# Altium PCB HYDRA_V4_RECOVERY.PcbDoc (part 1 of 2) (continued)
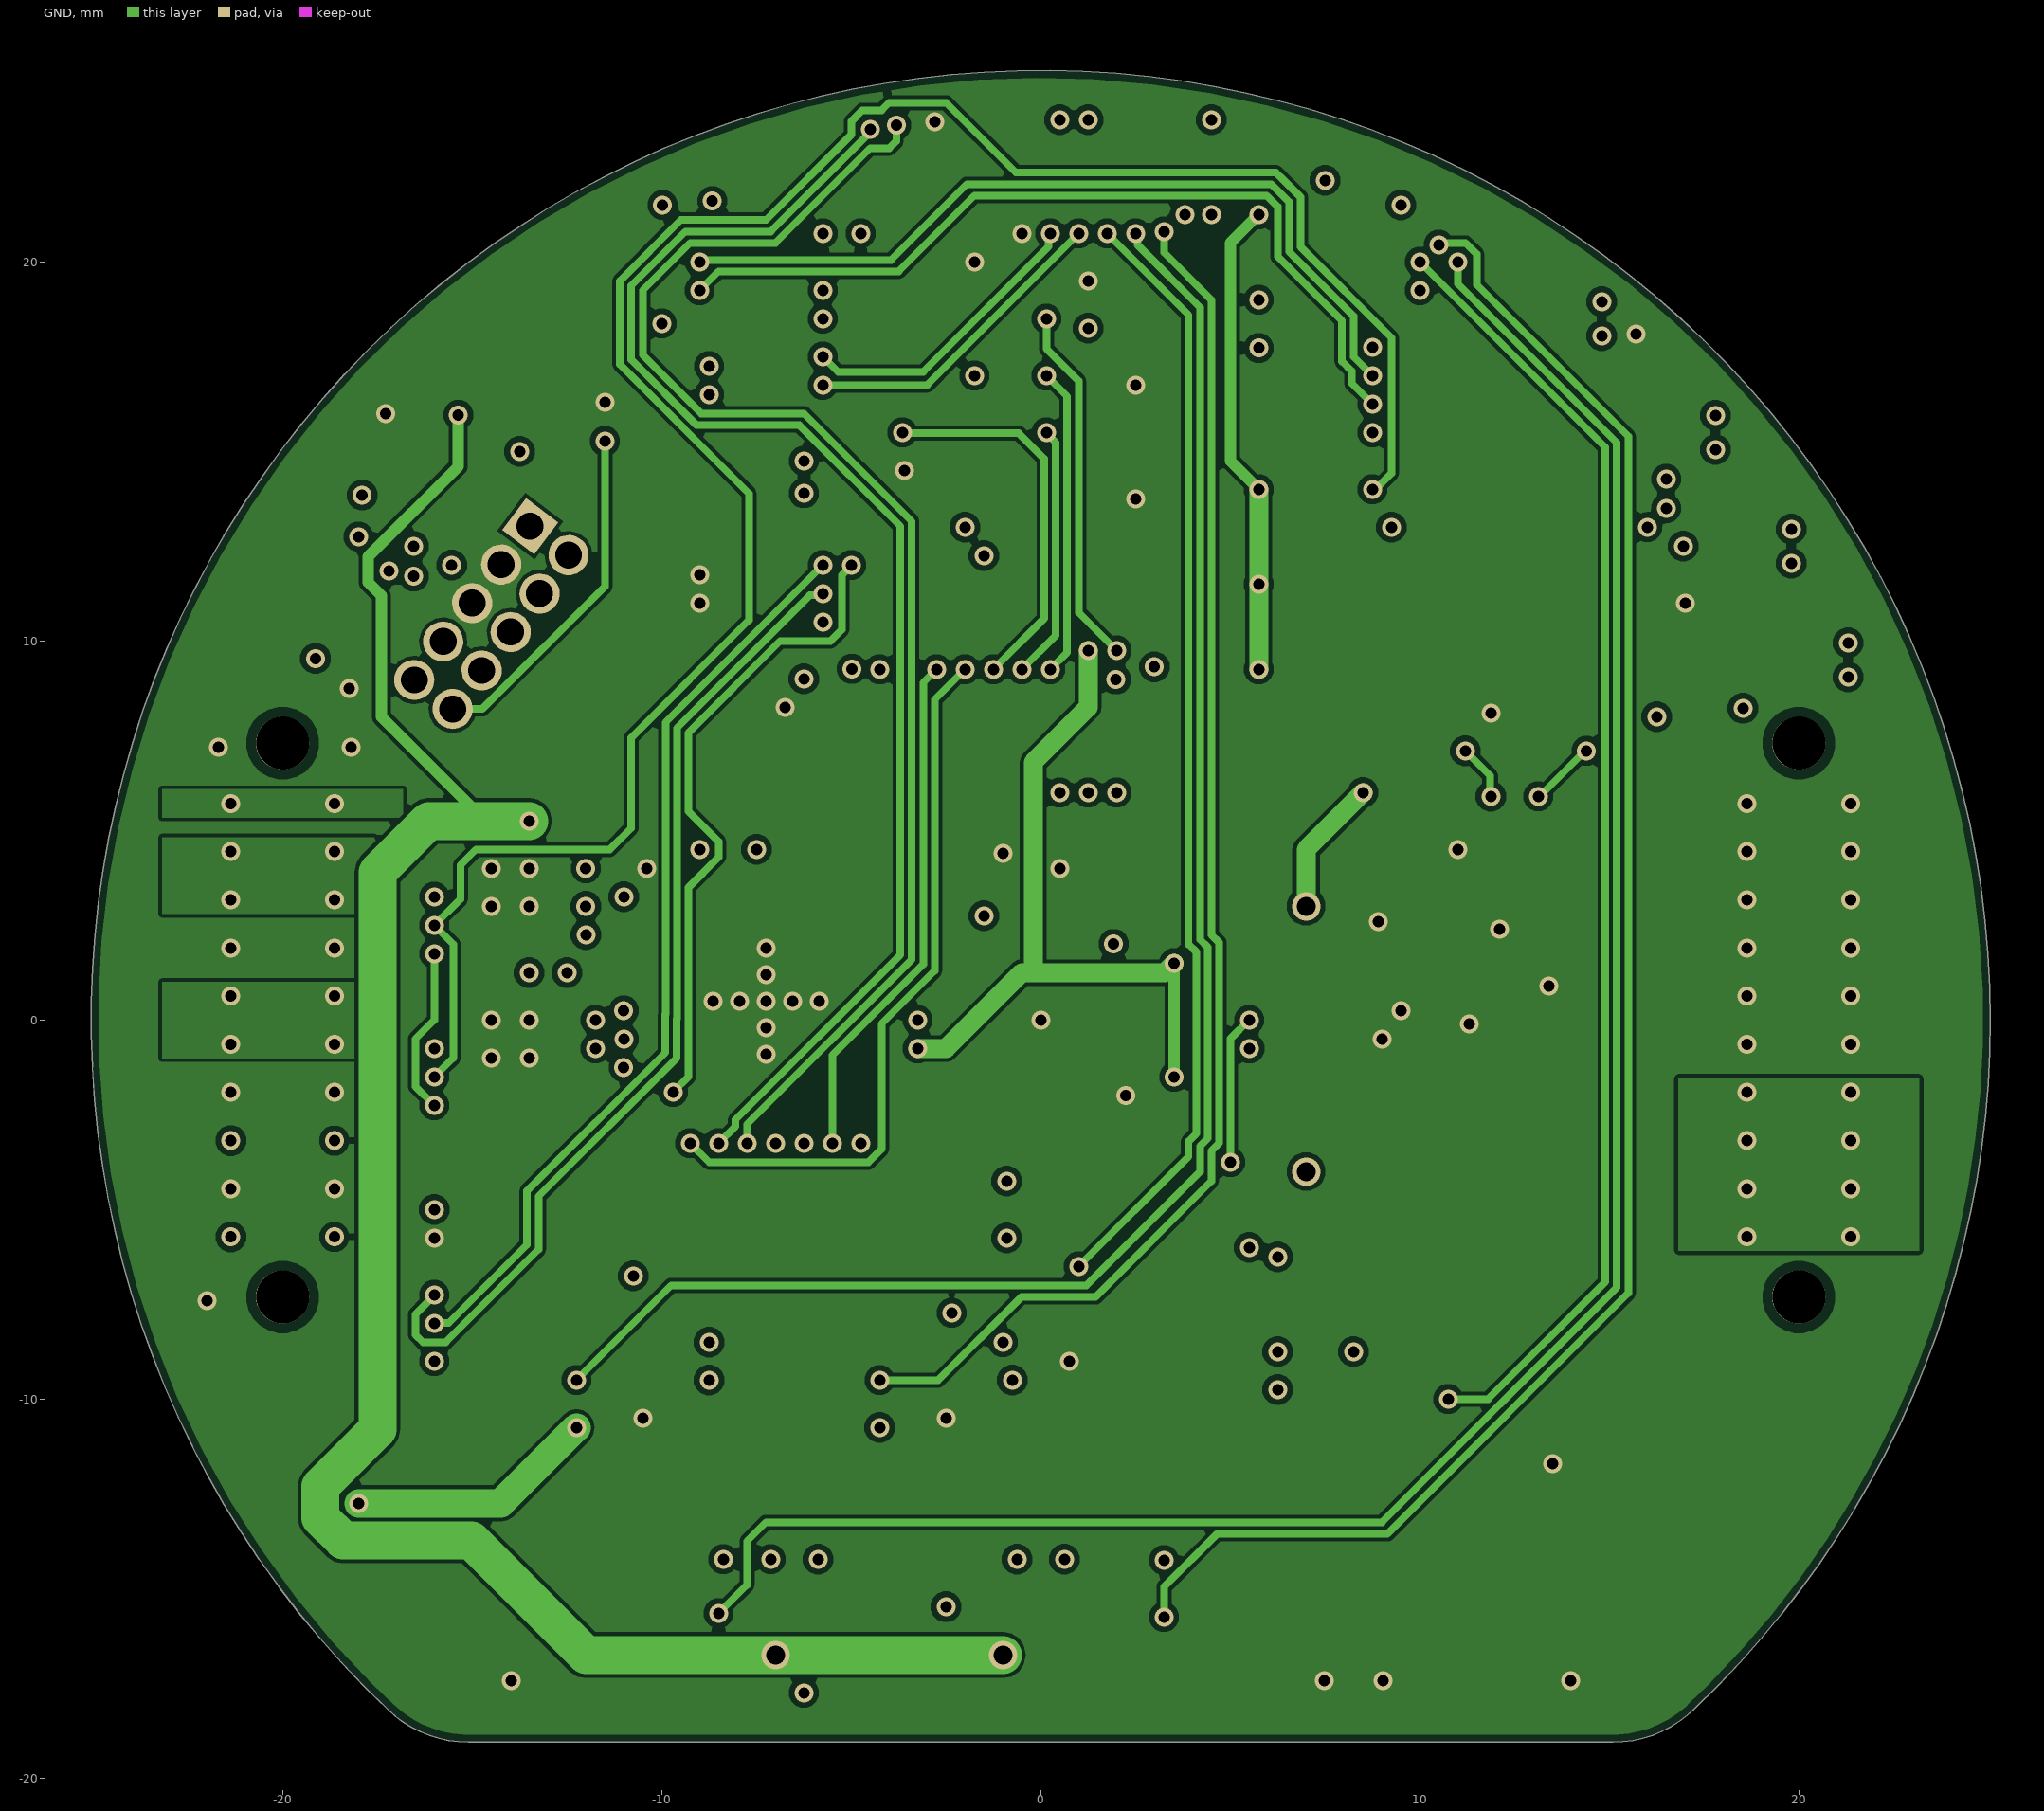
[diagram p3: GND]
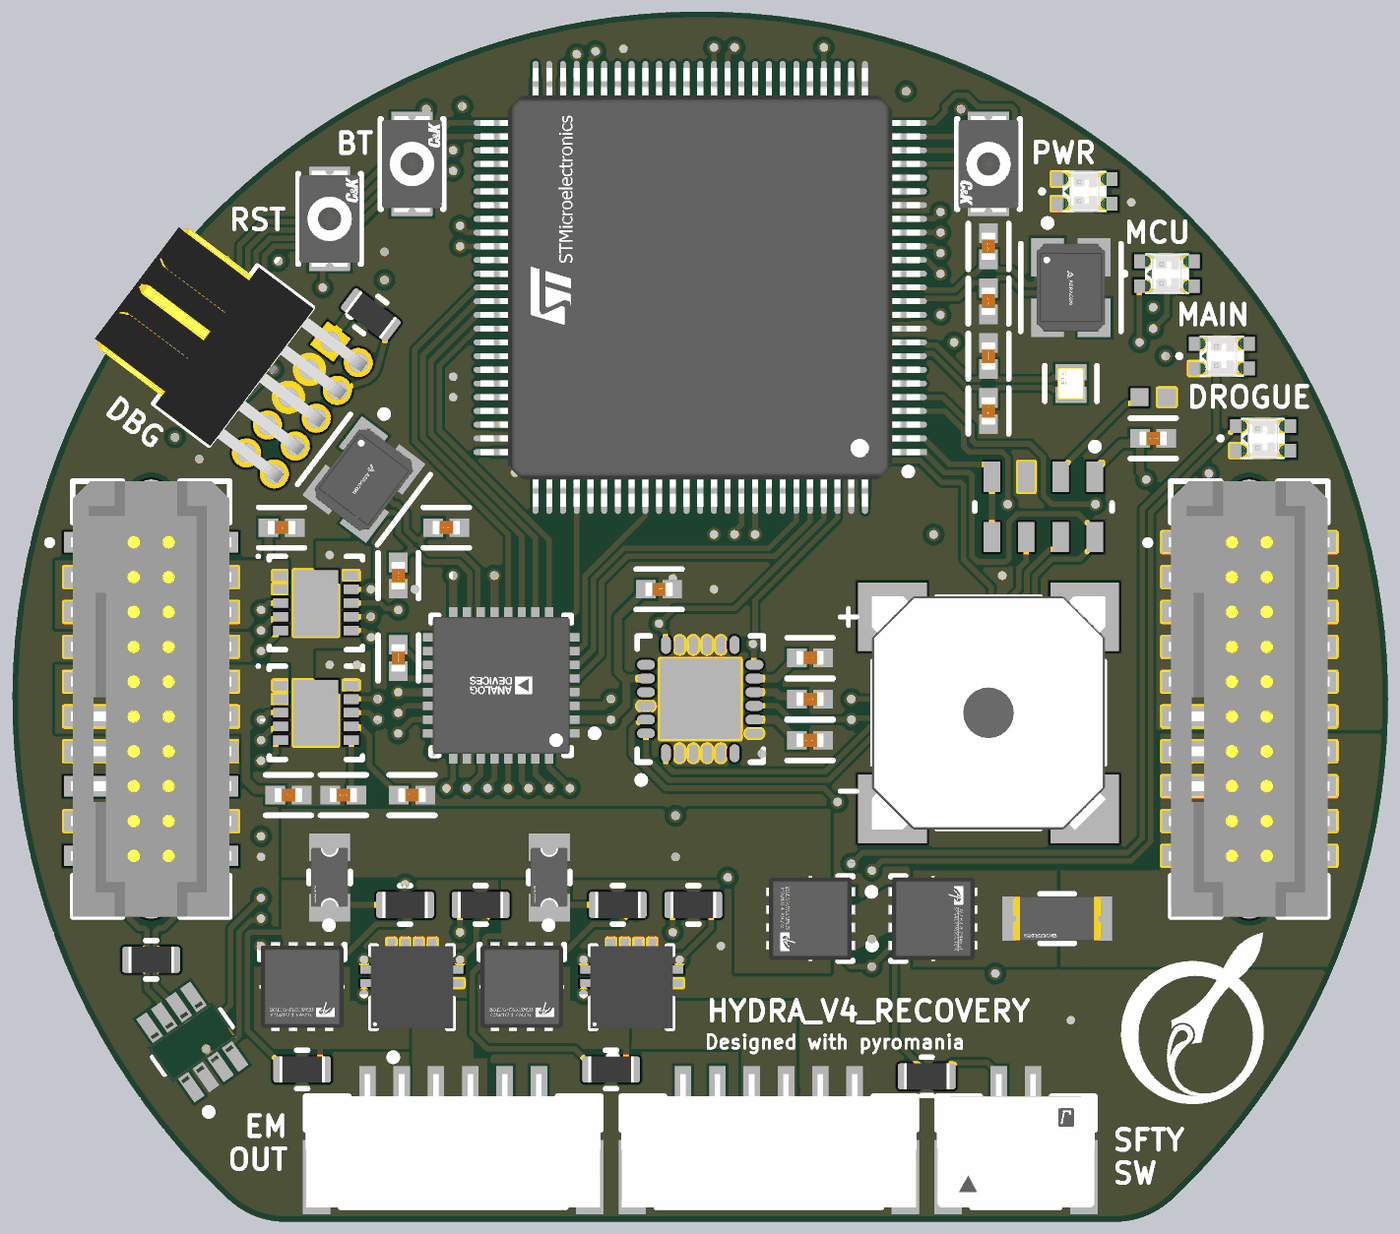
[diagram p5: 3D render of the assembled board from above, using the file's embedded part models]
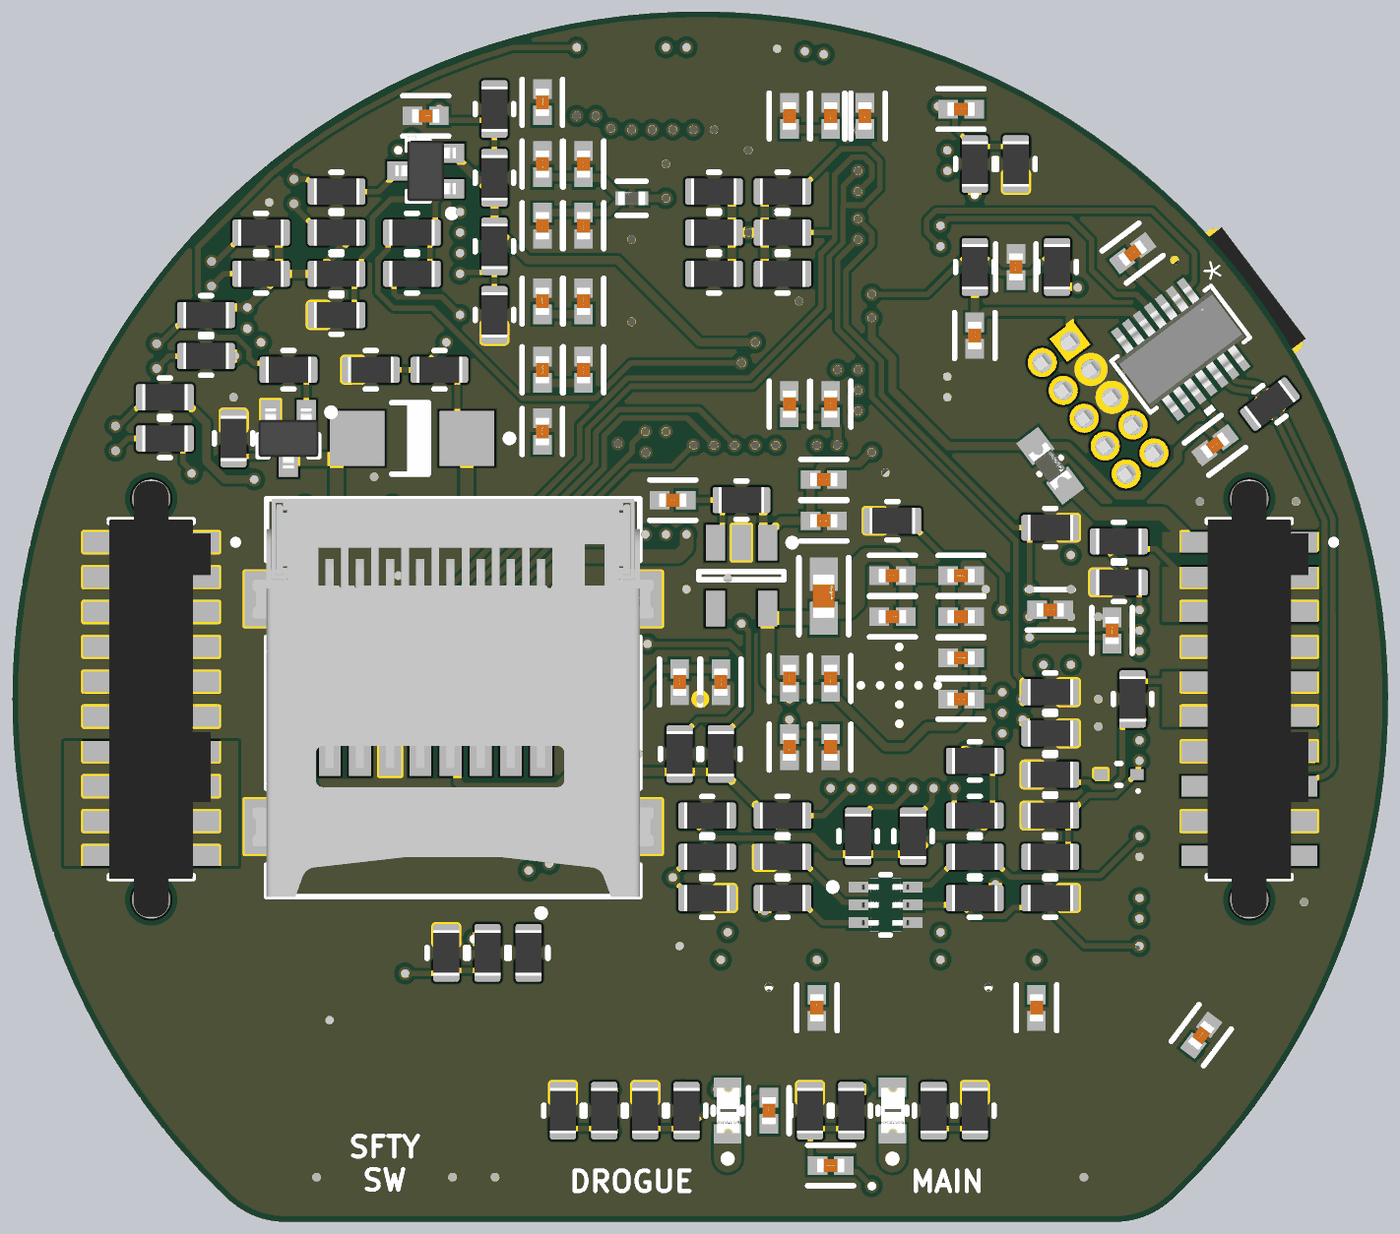
[diagram p6: 3D render of the assembled board from below, using the file's embedded part models]

## Layer stack, top to bottom
Top Solder: solder mask 0.0127, Solder Resist, Dk 3.5
Top Layer: signal copper 0.035
Dielectric 2: prepreg 0.2104, PP-006, Dk 4.1
PWR: signal copper 0.0152
Dielectric 1: dielectric 1.065, FR-4, Dk 4.8
GND: signal copper 0.0152
Dielectric 3: prepreg 0.2104, PP-006, Dk 4.1
Bottom Layer: signal copper 0.035
Bottom Solder: solder mask 0.0127, Solder Resist, Dk 3.5

## Board outline
-17.222,-18.191 ccw(c-15.1,-16) -15.1,-19.05 15.1,-19.05 ccw(c15.1,-16) 17.25,-18.164 17.257,-18.158 ccw(c0,0) 25.05,0 ccw(c0,0)

## Design rules (kind name [scope] priority, off if disabled: settings)
BoardOutlineClearance [All] p1: gap=0.2 ignorepadtopadclearanceinfootprint=FALSE
Clearance [All] p1: gap=0.102 ignorepadtopadclearanceinfootprint=FALSE except(0.127: Arc-Via Track-Via SMDPad-Via THPad-Via Via-Via Via-Fill Via-Poly Via-Region Via-Text; 0.25: Arc-Hole Track-Hole SMDPad-Hole THPad-Hole Via-Hole Fill-Hole Poly-Hole Region-Hole Text-Hole)
ComponentClearance [All] p1: gap=0.102 collisioncheckmode=3 verticalgap=0.102 showdistances=TRUE
DiffPairsRouting [All] p1: maxlimit=0.102 minlimit=0.102 mostfreqgap=0.102 toplayer_minwidth=0.102 toplayer_maxwidth=1816.048 toplayer_prefwidth=0.102 midlayer1_minwidth=0.102 midlayer1_maxwidth=1816.048 midlayer1_prefwidth=0.102 midlayer2_minwidth=0.102 midlayer2_maxwidth=1816.048 midlayer2_prefwidth=0.102 bottomlayer_minwidth=0.102 bottomlayer_maxwidth=1816.048 bottomlayer_prefwidth=0.102 maxuncoupledlength=12.7
Height [All] p1: minheight=0 maxheight=1816.048 prefheight=12.7
HoleSize [All] p1: absolutevalues=TRUE maxlimit=6.3 minlimit=0.2 maxpercent=80.000 minpercent=20.000
HoleToHoleClearance [All] p1: gap=0.25 allowstackedmicrovias=FALSE
MatchedLengths DCMI_LEN_MATCH [InNetClass('DCMI')] p1: tolerance=25.4 checknetsindiffpair=FALSE checkdiffpairvsdiffpair=TRUE checkxsignals=TRUE checkothers=TRUE usedelayunits=TRUE delaytolerance=1.000000
MinimumAnnularRing [All] p1: minimumring=0.076
MinimumSolderMaskSliver [All] p1: minsoldermaskwidth=0
PlaneClearance [All] p1: clearance=0.102
PlaneConnect PlaneConnectPowerPads [InPadClass('PowerPads')] p1: planeconnectstyle=Direct reliefexpansion=0.508 reliefentries=4 reliefconductorwidth=0.254 reliefairgap=0.254
PlaneConnect [All] p2: pad.planeconnectstyle=Relief pad.reliefexpansion=0.3 pad.reliefentries=4 pad.reliefconductorwidth=0.102 pad.reliefairgap=0.102 via.planeconnectstyle=Direct via.reliefexpansion=0.3 via.reliefentries=4 via.reliefconductorwidth=0.127 via.reliefairgap=0.127
PolygonConnect PolygonConnectPowerPads [All vs (InPadClass('PowerPads'))] p1: connectstyle=Direct reliefconductorwidth=0.254 reliefentries=4 polygonreliefangle="90 Angle" airgapwidth=0.254
PolygonConnect [All] p2: thpad.connectstyle=Relief thpad.reliefconductorwidth=0.102 thpad.reliefentries=4 thpad.polygonreliefangle="90 Angle" thpad.airgapwidth=0.102 smdpad.connectstyle=Direct smdpad.reliefconductorwidth=0.102 smdpad.reliefentries=4 smdpad.polygonreliefangle="90 Angle" smdpad.airgapwidth=0.102 via.connectstyle=Direct via.reliefconductorwidth=0.127 via.reliefentries=4 via.polygonreliefangle="90 Angle" via.airgapwidth=0.127
RoutingVias [All] p1: holewidth=0.2 width=0.45 viastyle="Through Hole" minholewidth=0.2 minwidth=0.45 maxholewidth=6.3 maxwidth=6.55
SilkToSilkClearance [All] p1: silktosilkclearance=0
SilkToSolderMaskClearance [IsPad] p1: minsilkscreentomaskgap=0.102 clearancetoexposedcopper=TRUE
SolderMaskExpansion [All] p1: expansion=0.075 istentingtop=FALSE
SupplyNets "Schematic Supply Nets_5" [InNet('3V3_OUT')] p1: voltage=0.000
SupplyNets "Schematic Supply Nets_4" [InNet('GND')] p2: voltage=0.000
SupplyNets "Schematic Supply Nets_3" [InNet('TCAN1146_VSUP')] p3: voltage=0.000
SupplyNets "Schematic Supply Nets_2" [InNet('PYRO_PWR_SW')] p4: voltage=0.000
SupplyNets "Schematic Supply Nets_1" [InNet('AVDD')] p5: voltage=0.000
SupplyNets "Schematic Supply Nets" [InNet('5V')] p6: voltage=0.000
Width [All] p1: maxlimit=1816.048 minlimit=0.102 preferedwidth=0.102
20 further rules are at their usual default settings.

## Classes and differential pairs
pad class PowerPads: J11-03 J11-05
component class SD_0: C57 C58 R37 R38 R39 R65 R74 R75 SD1
net class CAN: CAN1_N CAN1_P
component class FDCAN_1: C51 R68 U9
component class FDCAN_0: C52 C53 C54 C55 R69 R70 R71 SW2 U10
net class DCMI: HS LLC P0 P1 P2 P3 P4 P5 P6 P7 VS
net class 50SINGLE: CAM_1 CAM_2
component class CAMERA_IF: C11 C12 C13 C14 C15 C17 C18 C19 C20 C21 C22 C23 C24 C25 C26 C27 C28 C29 R48 R49 R50 R51 R52 R53 R55 R56 R57 R58 U6 U7 Y1
differential pair class CAN: CAN0
component class SENSOR_BANK_0: C6 C7 C8 C9 C10 R44 R45 R46 U4 U5
component class SAFETY_SWITCH_0: Q6 Q7 R40 R41 R42 R43
component class MCU_0: C30 C31 C32 C33 C34 C35 C36 C37 C38 C39 C40 C41 C42 C43 C44 C45 C46 C47 C48 C49 C50 C56 D7 FB1 J11 R59 R60 R61 R66 R67 R72 R73 SW1 SW3 U8 Y2 Y3
component class EJECTION_CIRCUIT_0: C1 C2 D1 D2 DS2 F1 F2 Q1 Q2 Q3 R1 R2 R3 R4 R5 R6 R7 R8 R9 R10 R11 R12 R13 R14 R15 R16 R17 R18 R19 R20 U1 U2
component class OC_PROT: C3 C4 C5 C59 C60 C61 D4 D6 F6 F7 Q8 R23 R24 R25 R26 R27 R28 R29 R30 R31 R32 R33 R34 R35 R36 R62 R63 R64 R76 R77 R78 R79 R80 U3 U11
component class HYDRA_V4_RECOVERY: D3 F3 F4 J1 J2 J3 J4 J5 J6 J7 LS1 Q4 R21 R22
differential pair XTAL: +XTAL_P -XTAL_N
differential pair VREF: +VREF_P -VREF_N
differential pair X: +X_P -X_N
differential pair X32: +X32_P -X32_N
differential pair CAN1: +CAN1_P -CAN1_N
differential pair CAN0: +CAN0_P -CAN0_N

## Components (designator, comment, footprint, x,y, rotation, side; value= is the part's Value field where it differs from the comment)
C1 "100n" FP-0402-L_1_0_0_05-W_0_5-IPC_A -12.25,-11.25 r90 bottom
C2 "100n" FP-0402-L_1_0_0_05-W_0_5-IPC_A -4.25,-11.25 r90 bottom
C3 "100n" FP-0402-L_1_0_0_05-W_0_5-IPC_A -15,-3.5 r0 top
C4 "100n" FP-0402-L_1_0_0_05-W_0_5-IPC_A -10.5,-3.5 r0 top
C5 "TBD" FP-0402-L_1_0_0_05-W_0_5-IPC_A -13,-3.5 r180 top
C6 "10n" FP-0402-L_1_0_0_05-W_0_5-IPC_A 4,-1.5 r180 top
C7 "10n" FP-0402-L_1_0_0_05-W_0_5-IPC_A -1.5,4 r180 top
C8 "100n" FP-0402-L_1_0_0_05-W_0_5-IPC_A 4,1.5 r180 top
C9 "100n" FP-0402-L_1_0_0_05-W_0_5-IPC_A 4,0 r180 top
C10 "100n" FP-0402-L_1_0_0_05-W_0_5-IPC_A 16.5,9.5 r180 top
C11 "100n" FP-0402-L_1_0_0_05-W_0_5-IPC_A -4.75,-17 r0 bottom
C12 "GRM188R60J106ME47D" FP-GRM188-0_1-e0_2_0_55-IPC_A -4.5,3.75 r90 bottom
C13 "100n" FP-0402-L_1_0_0_05-W_0_5-IPC_A -4.5,6.5 r0 bottom
C14 "100n" FP-0402-L_1_0_0_05-W_0_5-IPC_A -2.5,-15 r90 bottom
C15 "4.7u" FP-0402-L_1_0_0_05-W_0_5-IPC_A 1,7.25 r180 bottom
C17 "30p" FP-0402-L_1_0_0_05-W_0_5-IPC_A -9.25,6.25 r180 top
C18 "30p" FP-0402-L_1_0_0_05-W_0_5-IPC_A -11,4.5 r90 top
C19 "100n" FP-0402-L_1_0_0_05-W_0_5-IPC_A -9.5,0 r180 bottom
C20 "10n" FP-0402-L_1_0_0_05-W_0_5-IPC_A -9.5,1.5 r180 bottom
C21 "100n" FP-0402-L_1_0_0_05-W_0_5-IPC_A -4.75,0.75 r270 bottom
C22 "10n" FP-0402-L_1_0_0_05-W_0_5-IPC_A -3.25,0.75 r270 bottom
C23 "100n" FP-0402-L_1_0_0_05-W_0_5-IPC_A -7,3 r180 bottom
C24 "10n" FP-0402-L_1_0_0_05-W_0_5-IPC_A -7,4.5 r180 bottom
C25 "100n" FP-0402-L_1_0_0_05-W_0_5-IPC_A -4.75,-1.75 r90 bottom
C26 "10n" FP-0402-L_1_0_0_05-W_0_5-IPC_A -3.25,-1.75 r90 bottom
C27 "100n" FP-0402-L_1_0_0_05-W_0_5-IPC_A -9.5,3 r0 bottom
C28 "10n" FP-0402-L_1_0_0_05-W_0_5-IPC_A -9.5,4.5 r0 bottom
C29 "100n" FP-0402-L_1_0_0_05-W_0_5-IPC_A -11,1.5 r270 top
C30 "30p" FP-0402-L_1_0_0_05-W_0_5-IPC_A 10.5,16.5 r90 top
C31 "30p" FP-0402-L_1_0_0_05-W_0_5-IPC_A 10.5,14.5 r270 top
C32 "18p" FP-0402-L_1_0_0_05-W_0_5-IPC_A 10.5,10.5 r270 top
C33 "18p" FP-0402-L_1_0_0_05-W_0_5-IPC_A 10.5,12.5 r90 top
C34 "100n" FP-0402-L_1_0_0_05-W_0_5-IPC_A -11.5,15.75 r90 bottom
C35 "4.7u" FP-0402-L_1_0_0_05-W_0_5-IPC_A 4.25,14.5 r270 bottom
C36 "100n" FP-0402-L_1_0_0_05-W_0_5-IPC_A 5.75,14.5 r270 bottom
C37 "100n" FP-0402-L_1_0_0_05-W_0_5-IPC_A 5.75,21.75 r270 bottom
C38 "100n" FP-0402-L_1_0_0_05-W_0_5-IPC_A -6,21.25 r270 bottom
C39 "100n" FP-0402-L_1_0_0_05-W_0_5-IPC_A -4.5,8 r0 bottom
C40 "100n" FP-0402-L_1_0_0_05-W_0_5-IPC_A 5.75,9.75 r270 bottom
C41 "1u" FP-0402-L_1_0_0_05-W_0_5-IPC_A 4.25,19.5 r270 bottom
C42 "100n" FP-0402-L_1_0_0_05-W_0_5-IPC_A 5.75,19.5 r270 bottom
C43 "2.2u" FP-0402-L_1_0_0_05-W_0_5-IPC_A -3.25,21.25 r270 bottom
C44 "100n" FP-0402-L_1_0_0_05-W_0_5-IPC_A -4.75,21.25 r270 bottom
C45 "2.2u" FP-0402-L_1_0_0_05-W_0_5-IPC_A -3.25,10.75 r270 bottom
C46 "100n" FP-0402-L_1_0_0_05-W_0_5-IPC_A -4.75,10.75 r270 bottom
C47 "1u" FP-0402-L_1_0_0_05-W_0_5-IPC_A 4.25,12 r270 bottom
C48 "100n" FP-0402-L_1_0_0_05-W_0_5-IPC_A 5.75,12 r270 bottom
C49 "1u" FP-0402-L_1_0_0_05-W_0_5-IPC_A 4.25,17.25 r90 bottom
C50 "100n" FP-0402-L_1_0_0_05-W_0_5-IPC_A 5.75,17.25 r90 bottom
C51 "100n" FP-0402-L_1_0_0_05-W_0_5-IPC_A -18.25,-12.25 r127 bottom
C52 "100n" FP-0402-L_1_0_0_05-W_0_5-IPC_A -15.75,16.25 r143 bottom
C53 "100n" FP-0402-L_1_0_0_05-W_0_5-IPC_A -18.75,9.25 r323 bottom
C54 "100n" FP-0402-L_1_0_0_05-W_0_5-IPC_A -10,13.25 r270 bottom
C55 "100n" FP-0402-L_1_0_0_05-W_0_5-IPC_A 10,21.25 r0 bottom
C56 "100n" FP-0402-L_1_0_0_05-W_0_5-IPC_A -9.5,21.5 r180 bottom
C57 "10u" FP-0402-L_1_0_0_05-W_0_5-IPC_A 0.75,0.621 r270 bottom
C58 "100n" FP-0402-L_1_0_0_05-W_0_5-IPC_A -0.75,0.621 r270 bottom
C59 "100n" FP-0402-L_1_0_0_05-W_0_5-IPC_A -15.25,6.25 r0 top
C60 "100n" FP-0402-L_1_0_0_05-W_0_5-IPC_A -12.75,3.25 r180 bottom
C61 "TBD" FP-0402-L_1_0_0_05-W_0_5-IPC_A -15,2.5 r90 bottom
D1 "150066RG54050" WL-SBCD_0606 19,12.5 r90 top locked
D2 "150066RG54050" WL-SBCD_0606 20.5,9.5 r90 top locked
D3 "MBRA140T3G" ONSC-SMA-2-403D-02_V 10.5,9.5 r0 bottom
D4 "MM5Z3V3T1G" ONSC-SOD-523-2-502-01_V -15.25,-2.75 r0 bottom
D6 "150066RG54050" WL-SBCD_0606 14,18.5 r90 top locked
D7 "150066RG54050" WL-SBCD_0606 17,15.5 r90 top locked
F1 "MF-PSML150/12-2" FP-MF-PSMF-MFG -13.5,-6.5 r270 top value=1-7.5Ω
F2 "MF-PSML150/12-2" FP-MF-PSMF-MFG -5.5,-6.5 r270 top value=1-7.5Ω
F3 "MF-FSMF050X-2" FP-MF-FSMF-MFG -7,-15 r270 bottom value=0.1-0.8Ω
F4 "MF-FSMF050X-2" FP-MF-FSMF-MFG -1,-15 r270 bottom value=0.1-0.8Ω
F6 "0603L010YR" FP-0603L-MFG -12.75,8.5 r53 bottom value=0.9-6Ω
F7 "MF-NSML350/12-2" FP-MF-NSMF012-2-MFG 13,-8 r180 top value=1.35-8.5Ω
FB1 "BLM15PX601SN1D" FP-BLM15-0_05-MFG 2.5,18.25 r0 bottom
J1 "SFML-110-02-L-D-A" SFML-110-02-L-D-A-Footprint-1 -20,0 r270 bottom locked
J2 "SFML-110-02-L-D-A" SFML-110-02-L-D-A-Footprint-1 20,0 r270 bottom locked
J3 "SM06B-GHS-TB(LF)(SN)" FP-SM06B-GHS-TB_LF_SN-MFG -9,-16.5 r0 top locked
J4 "SM06B-GHS-TB(LF)(SN)" FP-SM06B-GHS-TB_LF_SN-MFG 2.5,-16.5 r0 top locked
J5 "SM02B-GHS-TB(LF)(SN)" FP-SM02B-GHS-TB_LF_SN-MFG 11.5,-16.5 r0 top locked
J6 "TFML-110-02-L-D-A" TFML-110-02-L-D-A-Footprint-1 -20,0 r270 top locked
J7 "TFML-110-02-L-D-A" TFML-110-02-L-D-A-Footprint-1 20,0 r270 top locked
J11 "FTSH-105-01-F-D-RA-K" FTSH-105-01-F-D-RA-K-Footprint-1 -15,11 r53 top locked
LS1 "CMT-8504-100-SMT-TR" CMT-8504-100-SMT-TR-Footprint-1 10.5,-0.5 r0 top
Q1 "SISH615ADN-T1-GE3" SISH615ADN-T1-GE3-Footprint-1 -14.462,-10.49 r180 top
Q2 "SSM6N7002KFU,LF" FP-SSOP6-P-0_65A-MFG -6.75,-7.5 r180 bottom
Q3 "SISH615ADN-T1-GE3" SISH615ADN-T1-GE3-Footprint-1 -6.462,-10.49 r180 top
Q4 "BSS138W-7-F" DIOD-SOT323-3_V 15,9.5 r270 bottom
Q6 "SISH615ADN-T1-GE3" SISH615ADN-T1-GE3-Footprint-1 4.01,-8.037 r90 top
Q7 "SISH615ADN-T1-GE3" SISH615ADN-T1-GE3-Footprint-1 8.49,-7.962 r270 top
Q8 "DMG1013UW-7" DIOD-SOT323-3_V 10,19.25 r0 bottom
R1 "100k" R0603B -8.5,-15 r90 bottom
R2 "1k" R0603B -10,-5.75 r0 bottom
R3 "100k" R0603B -14.5,-13.5 r0 top
R4 "24k" R0603B -10,-15 r270 bottom
R5 "100k" R0603B -10.75,-7.5 r0 top
R6 "1k" R0603B -0.25,-4.25 r180 bottom
R7 "100k" R0603B -3,-5.75 r180 bottom
R8 "100k" R0603B -8,-7.5 r180 top
R9 "100k" R0603B 3.5,-15 r90 bottom
R10 "1k" R0603B -3,-7.25 r180 bottom
R11 "100k" R0603B -3.25,-13.5 r0 top
R12 "24k" R0603B 5,-15 r270 bottom
R13 "100k" R0603B -3,-7.5 r0 top
R14 "1k" R0603B -10,-7.25 r180 bottom
R15 "100k" R0603B -12.75,-7.25 r0 bottom
R16 "100k" R0603B -0.25,-7.5 r180 top
R17 "330" R0603B 18,12.5 r180 bottom
R18 "330" R0603B 19.5,9.5 r180 bottom
R19 "330" R0603B 18,14 r180 bottom
R20 "330" R0603B 19.5,11 r180 bottom
R21 "1k" R0603B 15,12 r0 bottom
R22 "100k" R0603B 17,9.5 r90 bottom
R23 "100k" R0603B 7.5,16.5 r90 bottom
R24 "24k" R0603B 7.5,14 r90 bottom
R25 "100k" R0603B 7.75,-9.25 r90 bottom
R26 "24k" R0603B 9.25,-9.25 r270 bottom
R27 "100k" R0603B 9.5,12 r180 bottom
R28 "100k" R0603B 12,12 r180 bottom
R29 "1M" R0603B -15.75,0 r270 bottom
R30 "680k" R0603B -12.75,-2.75 r0 bottom
R31 "10k" R0603B 13.25,15.5 r0 bottom
R32 "68k" R0603B -12.75,-1.25 r180 bottom
R33 "110k" R0603B -12.75,0.25 r180 bottom
R34 "100k" R0603B 13.25,14 r180 bottom
R35 "1k" R0603B -12.75,-5.75 r0 bottom
R36 "100k" R0603B -12.75,-4.25 r180 bottom
R37 "100k" R0603B -0.5,15.5 r0 bottom
R38 "100k" R0603B -3,15.5 r180 bottom
R39 "100k" R0603B -3,18.5 r180 bottom
R40 "100k" R0603B 6.25,-9.25 r270 bottom
R41 "100k" R0603B -0.25,-5.75 r180 bottom
R42 "330" R0603B 8.25,-13.75 r0 top
R43 "24k" R0603B -0.25,-7.25 r0 bottom
R44 "100k" R0603B -0.75,-2 r270 bottom
R45 "DNP" R0603B 0.75,-2 r90 bottom
R46 "0402 JUMPER" RESC1005X40X25ML05T05 16.5,11 r180 top
R48 "24 1%" R0603B -5.5,-15 r90 bottom
R49 "49.9 1%" R0603B -4,-15 r270 bottom
R50 "24 1%" R0603B 0.5,-15 r90 bottom
R51 "100k" R0603B -1.5,7.25 r180 bottom
R52 "49.9 1%" R0603B 2,-15 r270 bottom
R53 "100k" R0603B -10,-2.25 r0 bottom
R55 "100k" R0603B -10,-4.25 r0 bottom
R56 "10k" R0603B -5.75,-5 r90 bottom
R57 "100k" R0603B -3,-4.25 r180 bottom
R58 "10k" R0603B -7.75,-5 r90 bottom
R59 "10k" R0603B -12,14 r143 top
R60 "330" R0603B -13,15.75 r270 bottom
R61 "100k" R0603B -10,15.75 r90 bottom
R62 "330" R0603B 13.25,17 r180 bottom
R63 "1k" R0603B 13.25,18.5 r180 bottom
R64 "100k" R0603B 10.5,17 r0 bottom
R65 "100k" R0603B -3,17 r180 bottom
R66 "330" R0603B 16,15.5 r180 bottom
R67 "330" R0603B 16,17 r180 bottom
R68 "120" R0603B -20,-9.5 r180 top locked
R69 "100k" R0603B 7.5,19 r270 bottom
R70 "120" R0603B -20.75,10.75 r143 bottom
R71 "1k" R0603B 7.5,21.5 r90 bottom
R72 "330" R0603B -10,19.5 r90 bottom
R73 "100k" R0603B -11.5,19.5 r90 bottom
R74 "100k" R0603B -0.5,17 r0 bottom
R75 "100k" R0603B -0.5,18.5 r0 bottom
R76 "1M" R0603B -15.25,5.75 r0 bottom
R77 "680k" R0603B -15.25,4.25 r0 bottom
R78 "68k" R0603B -7,6.5 r0 bottom
R79 "110k" R0603B -12.75,6.25 r180 bottom
R80 "1k" R0603B 10.5,15.5 r0 bottom
SD1 "47219-2001" MOLX-47219-2001-8_V 9,-0.5 r0 bottom
SW1 "KXT331LHS" FP-KXT331LHS-MFG -13.5,17.5 r90 top locked
SW2 "KXT331LHS" FP-KXT331LHS-MFG 10.5,19.5 r270 top locked
SW3 "KXT331LHS" FP-KXT331LHS-MFG -10.5,19.5 r90 top
U1 "ACS711KEXLT-15AB-T" ALEG-EX-12_V -10.5,-10.5 r90 top
U2 "ACS711KEXLT-15AB-T" ALEG-EX-12_V -2.5,-10.5 r90 top
U3 "TPS16412DRCR" PSON50P300X100_HS-11N -14,-0.5 r0 top
U4 "IIM-20670" PQFN50P450X450X115_HS-25N 0,0 r90 top
U5 "MS561101BA03-50" MSI-MS561101BA03-50-8_V 12.5,7 r270 top
U6 "MCP1824T-1802E/OT" SOT-23-OT5_M -1.5,4.5 r270 bottom
U7 "ADV7280WBCPZ" FP-CP-32-12-MFG -7.25,0.5 r180 top
U8 "STM32H730VBT6" FP-LQFP100-1L-IPC_C 0,15 r180 top
U9 "TCAN330GDCNR" FP-DCN0008A-MFG -18.5,-12.5 r125 top locked
U10 "TCAN1146DYYRQ1" TCAN1146DYYRQ1-Footprint-1 -17.5,12.75 r233 bottom
U11 "TPS16412DRCR" PSON50P300X100_HS-11N -14,3.5 r0 top
Y1 "ABM8G-28.63636MHZ-18-D2Y-T" FP-ABM8G-MFG -12.25,8 r233 top
Y2 "ABM8G-25.000MHZ-18-D2Y-T" FP-ABM8G-MFG 13.5,15 r270 top
Y3 "ECS-.327-12.5-1210-TR" FP-ECX-1210-MFG 13.5,11.5 r90 top
